# Altium PCB intPCB1.PcbDoc (part 1 of 3) (continued)
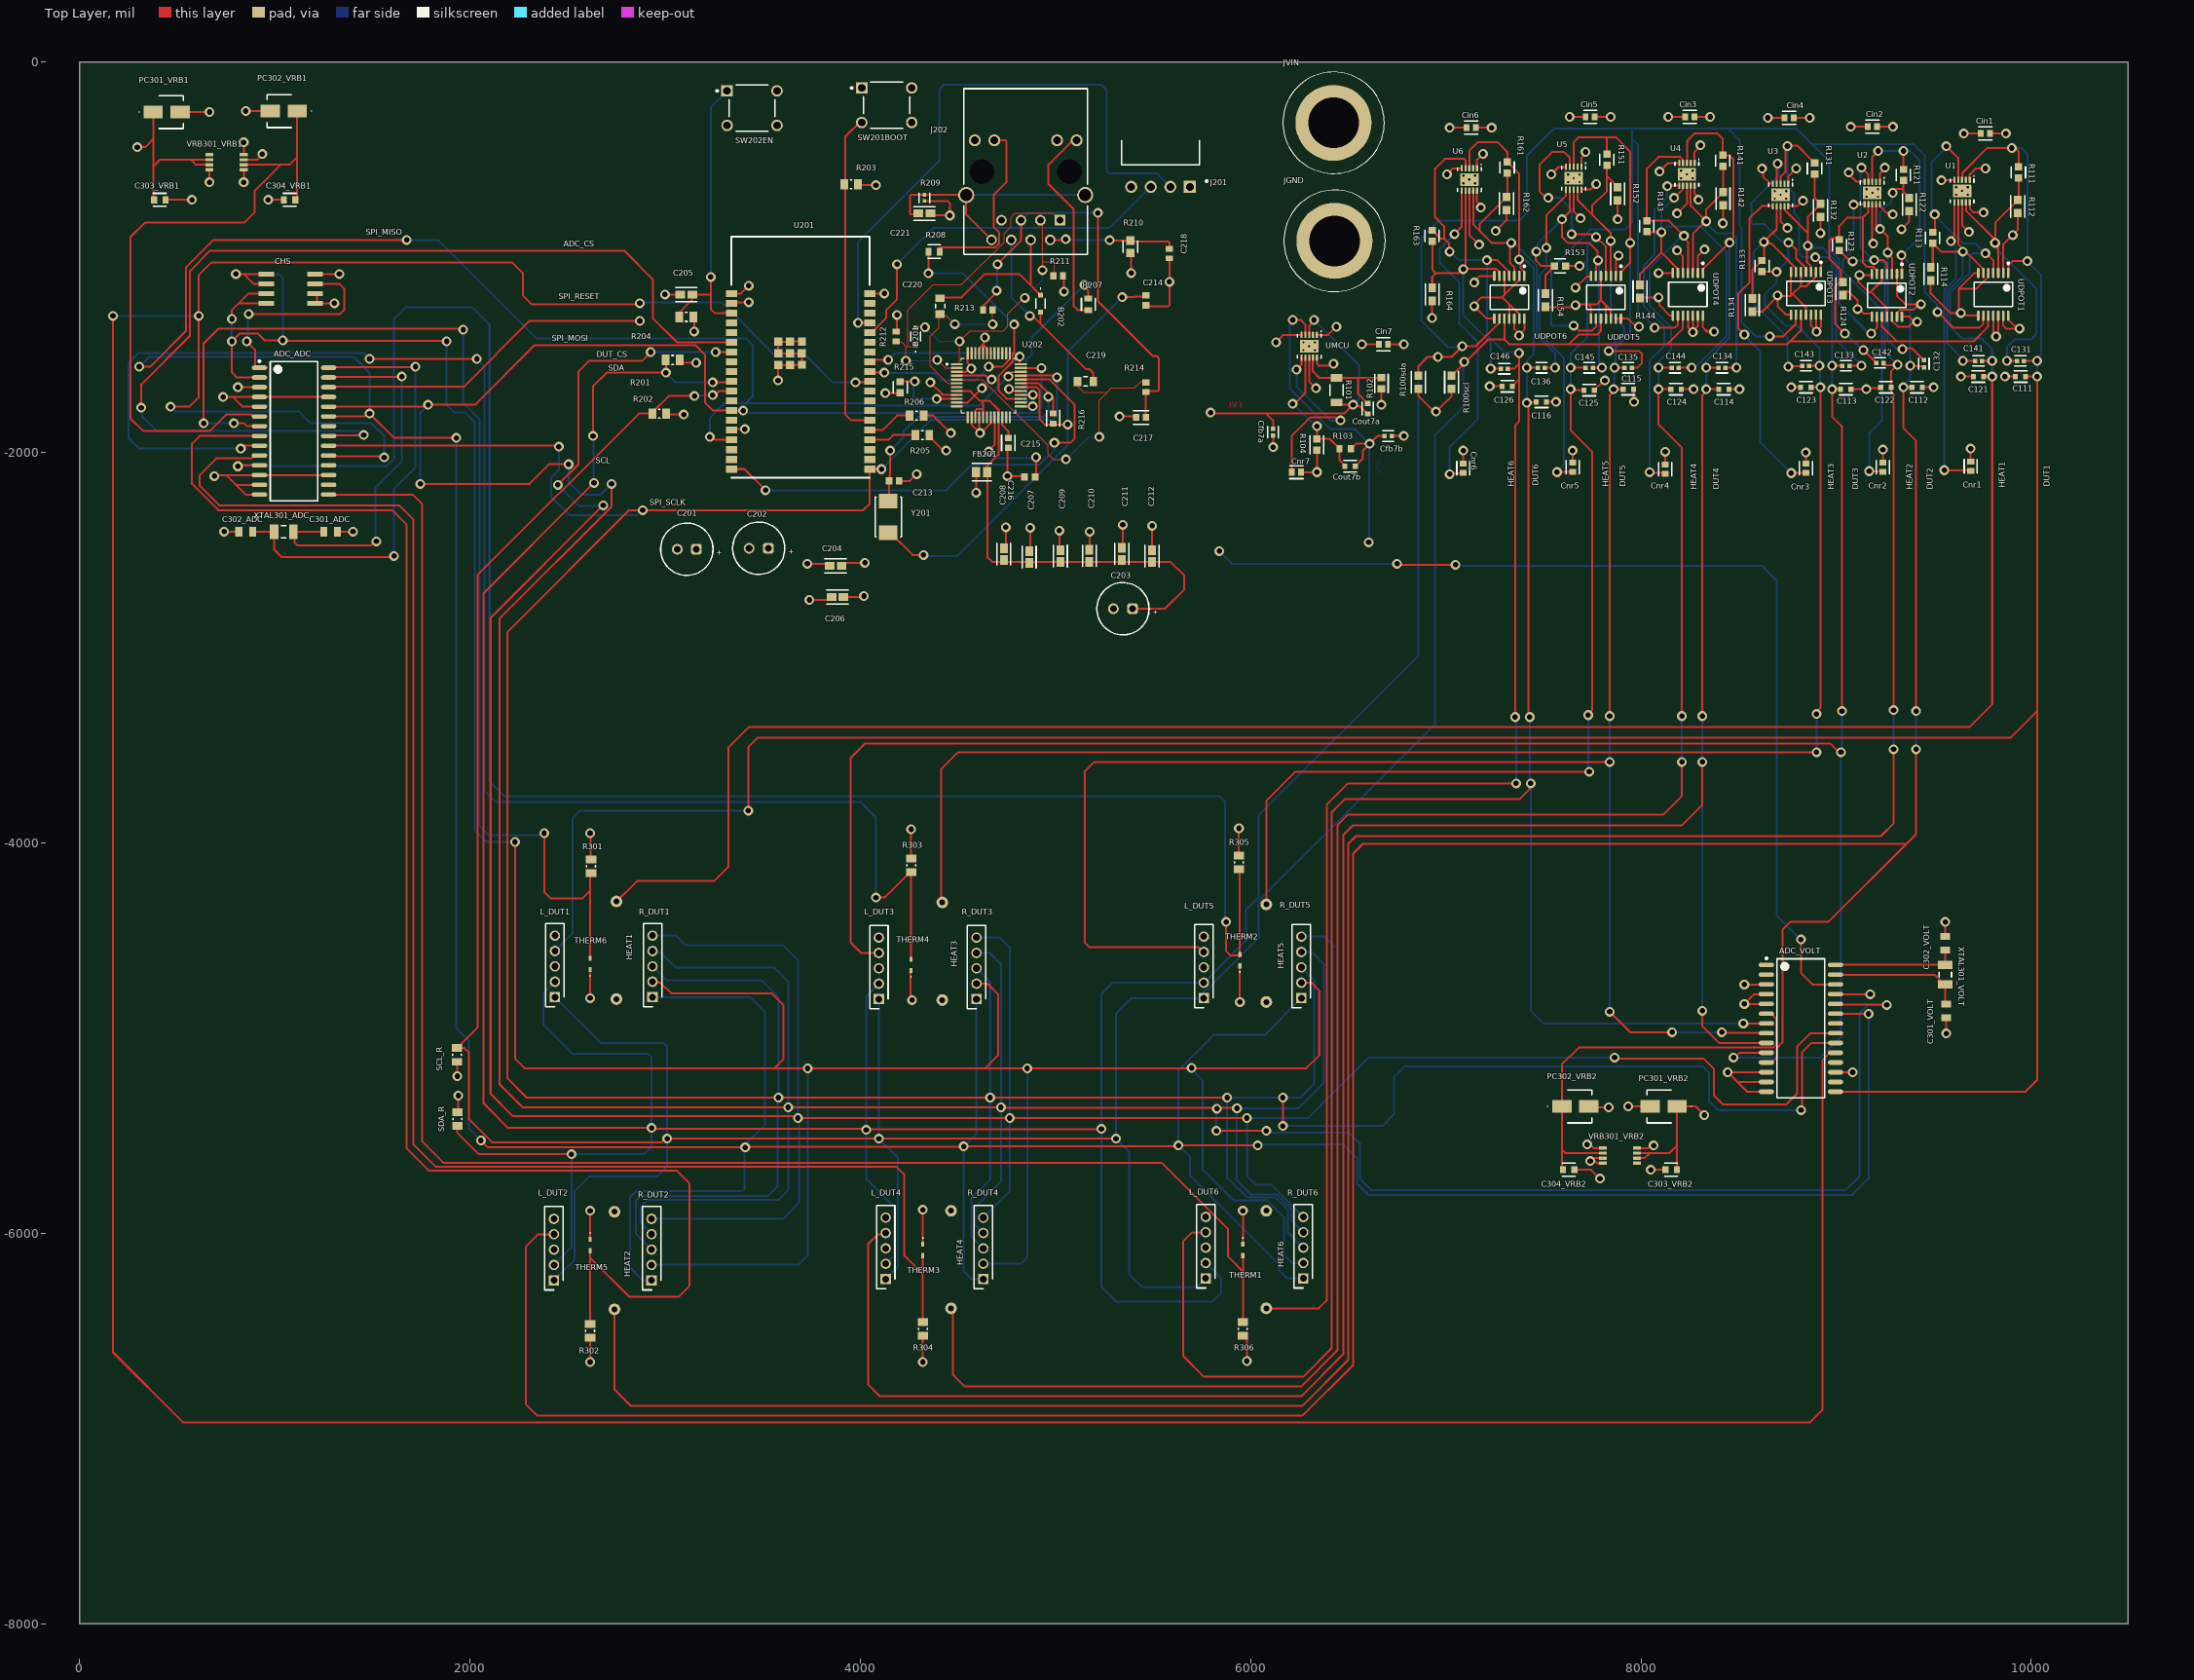
[diagram p0: Top Layer view]
## Classes and differential pairs
channel class VRB: VRB1 VRB2
channel class ADC: ADC VOLT
component class VRB2: C303_VRB2 C304_VRB2 PC301_VRB2 PC302_VRB2 VRB301_VRB2
component class VOLT: ADC_VOLT C301_VOLT C302_VOLT XTAL301_VOLT
component class AG2: Cfb7a Cfb7b Cin7 Cnr7 Cout7a Cout7b JGND JVIN R101 R102 R103 R104 UMCU
component class Designator: C201 C204 C205 J201 R201 R202 R203 R204 R205 R206 SW201BOOT SW202EN U201
component class AG1: C111 C112 C113 C114 C115 C116 C121 C122 C123 C124 C125 C126 C131 C132 C133 C134 C135 C136 C141 C142 C143 C144 C145 C146 Cin1 Cin2 Cin3 Cin4 Cin5 Cin6 Cnr1 Cnr2 Cnr3 Cnr4 Cnr5 Cnr6 R100scl R100sda R111 R112 R113 R114 R121 R122 R123 R124 R131 R132 R133 R134 R141 R142 R143 R144 R151 R152 R153 R154 R161 R162 R163 R164 U1 U2 U3 U4 U5 U6 UDPOT1 UDPOT2 UDPOT3 UDPOT4 UDPOT5 UDPOT6
component class U_EthernetSheet: B201 B202 C213 C214 C215 C216 C217 C218 C219 C220 C221 J202 R207 R208 R209 R210 R211 R212 R213 R214 R215 R216 U202 Y201
channel class Headers: DUT1 DUT2 DUT3 DUT4 DUT5 DUT6
component class VRB1: C303_VRB1 C304_VRB1 PC301_VRB1 PC302_VRB1 VRB1 VRB301_VRB1
component class Thermistors: R301 R302 R303 R304 R305 R306 THERM1 THERM2 THERM3 THERM4 THERM5 THERM6
component class SL: SCL_R SDA_R
component class "Heat Element": HEAT1 HEAT2 HEAT3 HEAT4 HEAT5 HEAT6
component class DUT6: L_DUT6 R_DUT6
component class DUT5: L_DUT5 R_DUT5
component class DUT4: L_DUT4 R_DUT4
component class DUT3: L_DUT3 R_DUT3
component class DUT2: L_DUT2 R_DUT2
component class DUT1: L_DUT1 R_DUT1
component class "Current Sense": CHS
component class ADC: ADC_ADC C301_ADC C302_ADC XTAL301_ADC
differential pair ETH.TX: +ETH.TX_P -ETH.TX_N
differential pair ETH.RX: +ETH.RX_P -ETH.RX_N

## Components (designator, comment, footprint, x,y, rotation, side; value= is the part's Value field where it differs from the comment)
ADC_ADC "AD7718BRZ" RW-28_L 1097.83,-1890 r0 top (schematic designator ADC)
ADC_VOLT "AD7718BRZ" RW-28_L 8820,-4950 r0 top (schematic designator ADC)
B201 "PESD5V0U1BA_115" PESD5V0U1BA115 4283.34,-1405 r90 top
B202 "PESD5V0U1BA_115" PESD5V0U1BA115 4923.34,-1236.69 r270 top
C111 "GRM188R71A225KE15D" FP-GRM188-0_1-e0_2_0_5-MFG 9945,-1610 r180 top
C112 "GRM188R71A225KE15D" FP-GRM188-0_1-e0_2_0_5-MFG 9415,-1665 r0 top
C113 "GRM188R71A225KE15D" FP-GRM188-0_1-e0_2_0_5-MFG 9050,-1675 r0 top
C114 "GRM188R71A225KE15D" FP-GRM188-0_1-e0_2_0_5-MFG 8425,-1675 r0 top
C115 "GRM188R71A225KE15D" FP-GRM188-0_1-e0_2_0_5-MFG 7935,-1675 r0 top
C116 "GRM188R71A225KE15D" FP-GRM188-0_1-e0_2_0_5-MFG 7490,-1740 r0 top
C121 "GRM188R71A225KE15D" FP-GRM188-0_1-e0_2_0_5-MFG 9730,-1610 r180 top
C122 "GRM188R71A225KE15D" FP-GRM188-0_1-e0_2_0_5-MFG 9255,-1665 r180 top
C123 "GRM188R71A225KE15D" FP-GRM188-0_1-e0_2_0_5-MFG 8845,-1665 r180 top
C124 "GRM188R71A225KE15D" FP-GRM188-0_1-e0_2_0_5-MFG 8180,-1675 r0 top
C125 "GRM188R71A225KE15D" FP-GRM188-0_1-e0_2_0_5-MFG 7735,-1680 r0 top
C126 "GRM188R71A225KE15D" FP-GRM188-0_1-e0_2_0_5-MFG 7315,-1660 r180 top
C131 "CC0402JRNPO9BN150" FP-CC0402-0_55-IPC_B 9945,-1530 r180 top
C132 "CC0402JRNPO9BN150" FP-CC0402-0_55-IPC_B 9450,-1545 r90 top
C133 "CC0402JRNPO9BN150" FP-CC0402-0_55-IPC_B 9050,-1555 r0 top
C134 "CC0402JRNPO9BN150" FP-CC0402-0_55-IPC_B 8415,-1565 r0 top
C135 "CC0402JRNPO9BN150" FP-CC0402-0_55-IPC_B 7935,-1565 r0 top
C136 "CC0402JRNPO9BN150" FP-CC0402-0_55-IPC_B 7490,-1565 r0 top
C141 "CC0402JRNPO9BN150" FP-CC0402-0_55-IPC_B 9730,-1530 r180 top
C142 "CC0402JRNPO9BN150" FP-CC0402-0_55-IPC_B 9225,-1540 r180 top
C143 "CC0402JRNPO9BN150" FP-CC0402-0_55-IPC_B 8845,-1555 r180 top
C144 "CC0402JRNPO9BN150" FP-CC0402-0_55-IPC_B 8175,-1565 r0 top
C145 "CC0402JRNPO9BN150" FP-CC0402-0_55-IPC_B 7735,-1565 r0 top
C146 "CC0402JRNPO9BN150" FP-CC0402-0_55-IPC_B 7300,-1570 r180 top
C201 "10 uF" WCAP-HTG5_D6.3H8 53110.79,47505 r0 top
C202 "10 uF" WCAP-HTG5_D6.3H8 53479.13,47510 r0 top
C203 "10 uF" WCAP-HTG5_D6.3H8 55345.79,47200 r0 top
C204 "0.1 uF" FP-CC0603-DA-IPC_A 3873.34,-2580 r0 top
C205 "0.1 uF" FP-CC0603-DA-IPC_A 3108.34,-1190 r0 top
C206 "0.1 uF" FP-CC0603-DA-IPC_A 3882.75,-2740 r0 top
C207 "0.1 uF" FP-CC0603-DA-IPC_A 4865,-2535 r90 top
C208 "0.1 uF" FP-CC0603-DA-IPC_A 4735,-2520 r90 top
C209 "0.1 uF" FP-CC0603-DA-IPC_A 5025,-2530.59 r90 top
C210 "0.1 uF" FP-CC0603-DA-IPC_A 5173.82,-2529.41 r90 top
C211 "0.1 uF" FP-CC0603-DA-IPC_A 5340,-2519.41 r90 top
C212 "0.1 uF" FP-CC0603-DA-IPC_A 5495,-2530 r90 top
C213 "18 pF" CAPC1608X90X35LL15T15 4172.75,-2145 r0 top
C214 "18 pF" CAPC1608X90X35LL15T15 5463.34,-1220 r90 top
C215 "10 nF" FP-0603-L_1_6_0_15-W_0_81-IPC_C 4758.34,-1950 r90 top
C216 "4.7 uF" CAPC1608X87X35NL15T15 4868.34,-2125 r0 top
C217 "10 nF" FP-0603-L_1_6_0_15-W_0_81-IPC_C 5438.34,-1820 r0 top
C218 "0.022 uF" CAPC1608X92X38LL15T08 5583.34,-980 r90 top
C219 "6.8 nF" FP-CGA3E-0_3-0_1-IPC_A 5153.34,-1635 r0 top
C220 "6.8 nF" FP-CGA3E-0_3-0_1-IPC_A 4408.34,-1250 r90 top
C221 "0.1 uF" FP-CC0603-DA-IPC_A 4327.75,-775 r0 top
C301_ADC "CC0603GRNPO9BN120" CC0603GRNPO9BN120 1250,-2405 r0 top (schematic designator C301)
C301_VOLT "CC0603GRNPO9BN120" CC0603GRNPO9BN120 9565,-4825 r270 top (schematic designator C301)
C302_ADC "CC0603GRNPO9BN120" CC0603GRNPO9BN120 815,-2405 r0 top (schematic designator C302)
C302_VOLT "CC0603GRNPO9BN120" CC0603GRNPO9BN120 9560,-4480 r270 top (schematic designator C302)
C303_VRB1 "0.1uF 50V" FP-CC0603-DA-MFG 410,-705 r0 top value="100 nF" (schematic designator C303)
C303_VRB2 "0.1uF 50V" FP-CC0603-DA-MFG 8155,-5675 r180 top value="100 nF" (schematic designator C303)
C304_VRB1 "0.1uF 50V" FP-CC0603-DA-MFG 1075,-705 r0 top value="100 nF" (schematic designator C304)
C304_VRB2 "0.1uF 50V" FP-CC0603-DA-MFG 7630,-5675 r180 top value="100 nF" (schematic designator C304)
Cfb7a "CC0402JRNPO9BN150" FP-CC0402-0_55-IPC_B 6115,-1895 r270 top
Cfb7b "CC0402JRNPO9BN150" FP-CC0402-0_55-IPC_B 6705,-1915 r0 top
CHS "TMCS1108A2UQDR" TMCS1108 955,-1085 r0 top
Cin1 "C0603C104M4RACTU" FP-C0603C-CF-MFG 9765,-365 r0 top value="0.10 μF"
Cin2 "C0603C104M4RACTU" FP-C0603C-CF-MFG 9186.38,-330 r0 top value="0.10 μF"
Cin3 "C0603C104M4RACTU" FP-C0603C-CF-MFG 8250,-280 r0 top value="0.10 μF"
Cin4 "C0603C104M4RACTU" FP-C0603C-CF-MFG 8760,-285 r0 top value="0.10 μF"
Cin5 "C0603C104M4RACTU" FP-C0603C-CF-MFG 7740,-280 r0 top value="0.10 μF"
Cin6 "C0603C104M4RACTU" FP-C0603C-CF-MFG 7130,-335 r0 top value="0.10 μF"
Cin7 "C0603C104M4RACTU" FP-C0603C-CF-MFG 6680,-1445 r0 top value="0.10 μF"
Cnr1 "C0603C103M5RACTU" FP-C0603C-CF-MFG 9690,-2070 r90 top value="10,000 pF"
Cnr2 "C0603C103M5RACTU" FP-C0603C-CF-MFG 9240,-2075 r90 top value="10,000 pF"
Cnr3 "C0603C103M5RACTU" FP-C0603C-CF-MFG 8845,-2080 r90 top value="10,000 pF"
Cnr4 "C0603C103M5RACTU" FP-C0603C-CF-MFG 8125,-2085 r90 top value="10,000 pF"
Cnr5 "C0603C103M5RACTU" FP-C0603C-CF-MFG 7650,-2075 r90 top value="10,000 pF"
Cnr6 "C0603C103M5RACTU" FP-C0603C-CF-MFG 7090,-2080 r90 top value="10,000 pF"
Cnr7 "C0603C103M5RACTU" FP-C0603C-CF-MFG 6235,-2100 r0 top value="10,000 pF"
Cout7a "GRM188R71A225KE15D" FP-GRM188-0_1-e0_2_0_5-MFG 6600,-1775 r90 top
Cout7b "GRM188R71A225KE15D" FP-GRM188-0_1-e0_2_0_5-MFG 6510,-2070 r180 top
FB201 "BLM21PG121SN1D" FP-BLM21-0_2-t0_85-e0_5-d-IPC_C 4621.91,-2100 r0 top
HEAT1 "RSF2JT1R80" PCBComponent_1#1 2750,-4300 r270 top
HEAT2 "RSF2JT1R80" PCBComponent_1#1 2740,-6390 r90 top
HEAT3 "RSF2JT1R80" PCBComponent_1#1 4420,-4305 r270 top
HEAT4 "RSF2JT1R80" PCBComponent_1#1 4465,-6385 r90 top
HEAT5 "RSF2JT1R80" PCBComponent_1#1 6080,-4315 r270 top
HEAT6 "RSF2JT1R80" PCBComponent_1#1 6080,-6385 r90 top
J201 "22-05-3041" FP-22-05-3041-MFG 5538.34,-360 r180 top
J202 "SI-60062-F" BELF-SI-60062-F_V 4847.52,-559.84 r180 top
JGND "1581-5" FP-1581-5-MFG 6430,-915 r0 top
JVIN "1581-5" FP-1581-5-MFG 6425,-310 r0 top
L_DUT1 "M22-7130542" RHDR5W50P0X200_1X5_1050X240X440P 2435,-4790 r90 top (schematic designator L)
L_DUT2 "M22-7130542" RHDR5W50P0X200_1X5_1050X240X440P 2430,-6241.22 r90 top (schematic designator L)
L_DUT3 "M22-7130542" RHDR5W50P0X200_1X5_1050X240X440P 4095,-4800 r90 top (schematic designator L)
L_DUT4 "M22-7130542" RHDR5W50P0X200_1X5_1050X240X440P 4130,-6235 r90 top (schematic designator L)
L_DUT5 "M22-7130542" RHDR5W50P0X200_1X5_1050X240X440P 5760,-4795 r90 top (schematic designator L)
L_DUT6 "M22-7130542" RHDR5W50P0X200_1X5_1050X240X440P 5770,-6231.22 r90 top (schematic designator L)
PC301_VRB1 "EEE-FN0J470R" EEE1AA220WR 445,-255 r0 top (schematic designator PC301)
PC301_VRB2 "EEE-FN0J470R" EEE1AA220WR 8116.1,-5350 r180 top (schematic designator PC301)
PC302_VRB1 "EEE-FN0J470R" EEE1AA220WR 1045,-250 r180 top (schematic designator PC302)
PC302_VRB2 "EEE-FN0J470R" EEE1AA220WR 7663.9,-5350 r0 top (schematic designator PC302)
R100scl "RC1608J102CS" FP-RC1608-IPC_A 7030,-1640 r270 top
R100sda "RC1608J102CS" FP-RC1608-IPC_A 6860,-1640 r270 top
R101 "RT1206FRE0749K9L" FP-RT1206-MFG 6440,-1680 r90 top value=49.9KΩ
R102 "CRCW060330K1FKEAHP" FP-CRCW0603-HPe3-IPC_B 6670,-1645 r270 top
R103 "RC0603FR-0788K7L" RESC1608X55X25ML10T15 6485,-1980 r0 top
R104 "CRCW060330K1FKEAHP" FP-CRCW0603-HPe3-IPC_B 6340,-1960 r270 top
R111 "CRCW060324K9FKEA" FP-CRCW0603-e3-IPC_B 9935.59,-564.27 r270 top
R112 "RC1608J753CS" FP-RC1608-IPC_A 9930.59,-739.27 r270 top
R113 "CRCW060324K9FKEA" FP-CRCW0603-e3-IPC_B 9495.59,-899.27 r270 top
R114 "RC1608J753CS" FP-RC1608-IPC_A 9485.59,-1084.27 r270 top
R121 "CRCW060324K9FKEA" FP-CRCW0603-e3-IPC_B 9345.59,-577.43 r270 top
R122 "RC1608J753CS" FP-RC1608-IPC_A 9375.59,-729.27 r270 top
R123 "CRCW060324K9FKEA" FP-CRCW0603-e3-IPC_B 9017.4,-936.83 r90 top
R124 "RC1608J753CS" FP-RC1608-IPC_A 9035,-1160 r270 top
R131 "CRCW060324K9FKEA" FP-CRCW0603-e3-IPC_B 8890.59,-544.27 r270 top
R132 "RC1608J753CS" FP-RC1608-IPC_A 8920.59,-759.27 r270 top
R133 "CRCW060324K9FKEA" FP-CRCW0603-e3-IPC_B 8620.59,-1044.27 r90 top
R134 "RC1608J753CS" FP-RC1608-IPC_A 8570.59,-1244.27 r270 top
R141 "CRCW060324K9FKEA" FP-CRCW0603-e3-IPC_B 8420.59,-504.27 r270 top
R142 "RC1608J753CS" FP-RC1608-IPC_A 8420.59,-699.27 r270 top
R143 "CRCW060324K9FKEA" FP-CRCW0603-e3-IPC_B 8030,-840 r270 top
R144 "RC1608J753CS" FP-RC1608-IPC_A 7995.59,-1174.27 r270 top
R151 "CRCW060324K9FKEA" FP-CRCW0603-e3-IPC_B 7825.59,-499.27 r270 top
R152 "RC1608J753CS" FP-RC1608-IPC_A 7880.59,-674.27 r270 top
R153 "CRCW060324K9FKEA" FP-CRCW0603-e3-IPC_B 7585.59,-1044.27 r180 top
R154 "RC1608J753CS" FP-RC1608-IPC_A 7510.59,-1219.27 r270 top
R161 "CRCW060324K9FKEA" FP-CRCW0603-e3-IPC_B 7315.59,-539.27 r270 top
R162 "RC1608J753CS" FP-RC1608-IPC_A 7310.59,-724.27 r270 top
R163 "CRCW060324K9FKEA" FP-CRCW0603-e3-IPC_B 6930.59,-889.27 r270 top
R164 "RC1608J753CS" FP-RC1608-IPC_A 6930.59,-1189.27 r270 top
R201 "10 k" RESC2013X60X35NL10T20 3038.34,-1525 r0 top
R202 "10 k" RESC2013X60X35NL10T20 2970,-1800 r0 top
R203 "10 k" RESC2013X60X35NL10T20 3952.91,-625 r0 top
R204 "10 k" RESC2013X60X35NL10T20 3107.91,-1305 r0 top
R205 "10 k" RESC2013X60X35NL10T20 4317.91,-1910 r180 top
R206 "10 k" RESC2013X60X35NL10T20 4288.34,-1810 r180 top
R207 "150" FP-CRCW0603-e3-MFG 5168.34,-1240 r90 top
R208 "150" FP-CRCW0603-e3-MFG 4377.87,-970 r0 top
R209 "0" FP-CRCW0402-e3-IPC_C 4328.34,-695 r90 top
R210 "10" FP-CRCW0603-e3-IPC_A 5383.34,-945 r90 top
R211 "49.9" RESC1609X50X30NL10T20 5013.34,-1095 r0 top
R212 "49.9" RESC1609X50X30NL10T20 4183.34,-1405 r90 top
R213 "49.9" RESC1609X50X30NL10T20 4653.34,-1270 r0 top
R214 "49.9" RESC1609X50X30NL10T20 5463.34,-1665 r90 top
R215 "12.4 k" FP-CRCW0603-e3-IPC_B 4203.34,-1665 r90 top
R216 "1 M" FP-ERJ3EK-IPC_C 4988.34,-1825 r90 top
R301 "RC0805FR-0710KL" RESC2013X60X35NL10T20 2620,-4120 r90 top
R302 "RC0805FR-0710KL" RESC2013X60X35NL10T20 2615,-6500 r270 top
R303 "RC0805FR-0710KL" RESC2013X60X35NL10T20 4260,-4115 r90 top
R304 "RC0805FR-0710KL" RESC2013X60X35NL10T20 4320,-6490 r270 top
R305 "RC0805FR-0710KL" RESC2013X60X35NL10T20 5940,-4100 r90 top
R306 "RC0805FR-0710KL" RESC2013X60X35NL10T20 5960,-6490 r270 top
R_DUT1 "M22-7130542" RHDR5W50P0X200_1X5_1050X240X440P 2935,-4790 r90 top (schematic designator R)
R_DUT2 "M22-7130542" RHDR5W50P0X200_1X5_1050X240X440P 2930,-6241.22 r90 top (schematic designator R)
R_DUT3 "M22-7130542" RHDR5W50P0X200_1X5_1050X240X440P 4595,-4800 r90 top (schematic designator R)
R_DUT4 "M22-7130542" RHDR5W50P0X200_1X5_1050X240X440P 4630,-6235 r90 top (schematic designator R)
R_DUT5 "M22-7130542" RHDR5W50P0X200_1X5_1050X240X440P 6260,-4795 r90 top (schematic designator R)
R_DUT6 "M22-7130542" RHDR5W50P0X200_1X5_1050X240X440P 6270,-6231.22 r90 top (schematic designator R)
SCL_R "RC0805FR-0710KL" RESC2013X60X35NL10T20 1933.44,-5086.12 r270 top
SDA_R "RC0805FR-0710KL" RESC2013X60X35NL10T20 1935,-5415 r90 top
SW201BOOT "1825910-6" TECO-1825910-6_V 4135,-220 r0 top
SW202EN "1825910-6" TECO-1825910-6_V 3445,-235 r0 top
THERM1 "TMP6331DYAR" TMP6331DYAR 5960,-6085 r270 top
THERM2 "TMP6331DYAR" TMP6331DYAR 5945,-4600.87 r90 top
THERM3 "TMP6331DYAR" TMP6331DYAR 4320,-6085 r270 top
THERM4 "TMP6331DYAR" TMP6331DYAR 4260,-4625 r90 top
THERM5 "TMP6331DYAR" TMP6331DYAR 2615,-6060 r270 top
THERM6 "TMP6331DYAR" TMP6331DYAR 2615,-4620 r90 top
U1 "TPS71202DRCT" DRC0010L_V 9645.59,-659.27 r270 top
U2 "TPS71202DRCT" DRC0010L_V 9185.59,-669.27 r270 top
U3 "TPS71202DRCT" DRC0010L_V 8715.59,-679.27 r270 top
U4 "TPS71202DRCT" DRC0010L_V 8235.59,-574.27 r270 top
U5 "TPS71202DRCT" DRC0010L_V 7655.59,-594.27 r270 top
U6 "TPS71202DRCT" DRC0010L_V 7120.59,-600.84 r270 top
U201 "ESP 32 WROVER" PCBComponent_1#2 3339.68,-1185 r0 top
U202 "W5500" QFP50P900X900X160-48N 4658.34,-1655 r0 top
UDPOT1 "TPL0102-100PWR" FP-PW0014A-IPC_C 9805.59,-1189.27 r270 top
UDPOT2 "TPL0102-100PWR" FP-PW0014A-IPC_C 9260.59,-1194.27 r270 top
UDPOT3 "TPL0102-100PWR" FP-PW0014A-IPC_C 8845.59,-1184.27 r270 top
UDPOT4 "TPL0102-100PWR" FP-PW0014A-IPC_C 8240.59,-1189.27 r270 top
UDPOT5 "TPL0102-100PWR" FP-PW0014A-IPC_C 7820.59,-1204.27 r270 top
UDPOT6 "TPL0102-100PWR" FP-PW0014A-IPC_C 7325.59,-1204.27 r270 top
UMCU "TPS71202DRCT" DRC0010L_V 6300,-1455 r270 top
VRB301_VRB1 "LTC6652AHMS8-2.5#PBF" LTC6652AHMS8-2.5#PBF 665,-474.4 r0 top (schematic designator VRB301)
VRB301_VRB2 "LTC6652AHMS8-2.5#PBF" LTC6652AHMS8-2.5#PBF 7980,-5640 r180 top (schematic designator VRB301)
XTAL301_ADC "ABS07-32.768KHZ-T" FP-ABS07-MFG 1045,-2405 r0 top (schematic designator XTAL301)
XTAL301_VOLT "ABS07-32.768KHZ-T" FP-ABS07-MFG 9560,-4675 r270 top (schematic designator XTAL301)
Y201 "25 MHz" FP-ABM3-MFG 4143.34,-2330 r90 top

## Footprints (in the part's own frame and the unit in brackets; to place one, negate y for a bottom-side part, rotate by r counter-clockwise, add the part's x,y. Pads: shape width x height; smd on the part's side, far side on the other; paste and mask are expansions set on the pad)
BELF-SI-60062-F_V [mm] "MagJack, 14-Leads, Body 21.59x16.13mm"
  rect 1.4x1.4 hole 0.89: 1(-4.445,6.35)
  round 1.4 hole 0.89: 2(-3.175,8.89) 3(-1.905,6.35) 4(3.175,6.35) 5(-0.635,8.89) 6(0.635,6.35) 7(1.905,8.89) 8(4.445,8.89)
  round 1.55 hole 1.02: 9(-6.625,-4.06) 10(-4.085,-4.06) 11(4.085,-4.06) 12(6.625,-4.06)
  round 2.95 hole 3.25 unplated: MH1(-5.715,0) MH2(5.715,0)
  round 2.1 hole 1.57: S1(-7.745,3.05) S2(7.745,3.05)
  silkscreen extent -8.07,-10.79 8.07,10.8, body extent -8.06,-10.79 8.06,10.8, height 13.84
CAPC1608X87X35NL15T15 [mm] "Chip Capacitor, 2-Leads, Body 1.60x0.80mm, IPC Medium Density"
  rect 0.9x1 smd: 1(-0.675,0) 2(0.675,0)
  body extent -0.87,-0.48 0.87,0.47, height 0.87
CAPC1608X90X35LL15T15 [mm] "Chip Capacitor, 2-Leads, Body 1.60x0.81mm, IPC High Density"
  rect 0.85x0.9 smd: 1(-0.65,0) 2(0.65,0)
  body extent -0.88,-0.48 0.87,0.48, height 0.9
CAPC1608X92X38LL15T08 [mm] "Chip Capacitor, 2-Leads, Body 1.60x0.80mm, IPC High Density"
  rect 0.75x0.9 smd: 1(-0.625,0) 2(0.625,0)
  body extent -0.87,-0.48 0.87,0.48, height 0.92
CC0603GRNPO9BN120 [mil]
  rect 35x50 smd: 1(0,0) 2(70,0)
  body extent 4,-15 66,20, height 31
DRC0010L_V [mm] "SON, 10-Leads, Body 3x3mm, Pitch 0.5mm, Thermal Pad 2.4x1.65mm"
  rrect36% 0.825x0.28 smd paste-0.5: 1(-1.462,1) 2(-1.462,0.5) 3(-1.462,0) 4(-1.462,-0.5) 5(-1.462,-1) 6(1.463,-1) 7(1.463,-0.5) 8(1.463,0) 9(1.463,0.5) 10(1.463,1)
  rrect6% 1.65x2.4 smd paste-1: 11(0,0)
  silkscreen extent -2,-1.55 1.55,1.6, body extent -1.5,-1.5 1.5,1.5, height 1
EEE1AA220WR [mm]
  rect 2.5x1.6 smd: 1(-1.75,0) 2(1.75,0)
  silkscreen extent -3.63,-2.15 2.15,2.15, body extent -2.5,-2.15 2.5,2.15, height 5.78
FP-22-05-3041-MFG [mm]
  rect 1.57x1.57 hole 1.02 paste-2539.97 mask+0: 1(-3.81,7.072)
  round 1.57 hole 1.02 paste-2539.97 mask+0: 2(-1.27,7.072) 3(1.27,7.072) 4(3.81,7.072)
  silkscreen extent -6.13,1.03 5.08,6.44, body extent -5.18,-6.28 5.18,7.96, height 0.25
FP-0603-L_1_6_0_15-W_0_81-IPC_C [mil]
  rect 31.75x34.18 smd paste+0 mask+0: 1(-24.64,0) 2(24.64,0)
  silkscreen extent -41,-35 41,35, body extent -44,-23 44,23, height 10
FP-1581-5-MFG [mm]
  round 9.9 hole 6.6 paste-2539.97 mask+0: 1(0,0)
  silkscreen extent -6.6,-6.6 6.6,6.6, body extent -6.7,-6.7 6.7,6.7, height 0.25
FP-ABM3-MFG [mm]
  rect 1.9x2.4 smd paste+0 mask+0: 1(-2.05,0) 2(2.05,0)
  silkscreen extent -2.6,-1.7 2.6,1.7, body extent -3.1,-1.8 3.1,1.8, height 0.25
FP-ABS07-MFG [mm]
  rect 1.1x1.9 smd paste+0 mask+0: 1(-1.25,0) 2(1.25,0)
  silkscreen extent -0.33,-0.8 0.33,0.8, body extent -1.9,-1.05 1.9,1.05, height 0.25
FP-BLM21-0_2-t0_85-e0_5-d-IPC_C [mil]
  rect 41.53x53.39 smd paste+0 mask+0: 1(-28.57,0) 2(28.57,0)
  silkscreen extent -49,-44 49,44, body extent -53,-32 53,32, height 10
FP-C0603C-CF-MFG [mm]
  rect 0.75x0.9 smd paste+0 mask+0: 1(-0.6,0) 2(0.6,0)
  silkscreen extent -0.87,-0.85 0.88,0.85, body extent -1.2,-0.6 1.2,0.6, height 0.25
FP-CC0402-0_55-IPC_B [mil]
  rect 22.37x22.54 smd paste+0 mask+0: 1(-17.8,0) 2(17.8,0)
  silkscreen extent -29,-27 29,27, body extent -35,-17 35,17, height 10
FP-CC0603-DA-IPC_A [mil]
  rect 49.53x39.85 smd paste+0 mask+0: 1(-30.59,0) 2(30.59,0)
  silkscreen extent -55,-36 55,36, body extent -75,-40 75,40, height 10
FP-CC0603-DA-MFG [mm]
  rect 0.8x0.9 smd paste+0 mask+0: 1(-0.75,0) 2(0.75,0)
  silkscreen extent -0.85,-0.85 0.85,0.85, body extent -1.35,-0.75 1.35,0.75, height 0.25
FP-CGA3E-0_3-0_1-IPC_A [mm]
  rect 0.956x1.206 smd paste+0 mask+0: 1(-1.025,0) 2(1.025,0)
  silkscreen extent -0.25,-0.6 0.25,0.6, body extent -2,-1.1 2,1.1, height 0.25
FP-CRCW0402-e3-IPC_C [mil]
  rect 18.43x18.6 smd paste+0 mask+0: 1(-15.83,0) 2(15.83,0)
  silkscreen extent -25,-27 25,27, body extent -29,-15 29,15, height 10
FP-CRCW0603-e3-IPC_A [mil]
  rect 44.69x41.82 smd paste+0 mask+0: 1(-32.1,0) 2(32.1,0)
  silkscreen extent -30,-37 30,37, body extent -74,-41 74,41, height 10
FP-CRCW0603-e3-IPC_B [mil]
  rect 36.81x37.88 smd paste+0 mask+0: 1(-28.17,0) 2(28.17,0)
  silkscreen extent -30,-37 30,35, body extent -56,-29 56,29, height 10
FP-CRCW0603-e3-MFG [mm]
  rect 0.75x1 smd paste+0 mask+0: 1(-0.75,0) 2(0.75,0)
  silkscreen extent -0.8,-0.9 0.8,0.9, body extent -1.22,-0.6 1.22,0.6, height 0.25
FP-CRCW0603-HPe3-IPC_B [mil]
  rect 37.72x37.88 smd paste+0 mask+0: 1(-28.62,0) 2(28.62,0)
  silkscreen extent -47,-35 47,35, body extent -57,-29 57,29, height 10
FP-ERJ3EK-IPC_C [mil]
  rect 29.78x33.94 smd paste+0 mask+0: 1(-25.62,0) 2(25.62,0)
  silkscreen extent -41,-34 41,34, body extent -44,-23 44,23, height 10
FP-GRM188-0_1-e0_2_0_5-MFG [mm]
  rect 0.65x0.7 smd paste+0 mask+0: 1(-0.675,0) 2(0.675,0)
  silkscreen extent -0.85,-0.75 0.85,0.75, body extent -1.1,-0.55 1.1,0.55, height 0.25
FP-PW0014A-IPC_C [mm]
  rect 1.355x0.341 smd paste+0 mask+0: 1(-2.775,1.95)
  rrect100% 1.355x0.341 smd paste+0 mask+0: 2(-2.775,1.3) 3(-2.775,0.65) 4(-2.775,0) 5(-2.775,-0.65) 6(-2.775,-1.3) 7(-2.775,-1.95) 8(2.775,-1.95) 9(2.775,-1.3) 10(2.775,-0.65) 11(2.775,0) 12(2.775,0.65) 13(2.775,1.3) 14(2.775,1.95)
  silkscreen extent -4.17,-2.5 1.6,2.5, body extent -3.55,-2.6 3.55,2.6, height 0.25
FP-RC1608-IPC_A [mil]
  rect 43.69x39.85 smd paste+0 mask+0: 1(-33.51,0) 2(33.51,0)
  silkscreen extent -55,-36 55,36, body extent -75,-40 75,40, height 10
FP-RT1206-MFG [mm]
  rect 1x1.5 smd paste+0 mask+0: 1(-1.6,0) 2(1.6,0)
  silkscreen extent -0.72,-0.85 0.72,0.85, body extent -2.2,-0.95 2.2,0.95, height 0.25
LTC6652AHMS8-2.5#PBF [mil]
  rect 40x17 smd: 1(0,0.6) 2(0,-25) 3(0,-50.6) 4(0,-76.2) 5(175,-76.2) 6(175,-50.6) 7(175,-25) 8(175,0.6)
  body extent -13,-99 189,23, height 43
PCBComponent_1#1 [mil]
  round 60 hole 30: 1(0,0) 2(500,0)
PCBComponent_1#2 [mil]
  rect 59.06x35.43 smd: 1(0,0) 2(0,-50) 3(0,-100) 4(0,-150) 5(0,-200) 6(0,-250) 7(0,-300) 8(0,-350) 9(0,-400) 10(0,-450) 11(0,-500) 12(0,-550) 13(0,-600) 14(0,-650) 15(0,-700) 16(0,-750) 17(0,-800) 18(0,-850) 19(0,-900) 20(708.66,-900) 21(708.66,-850) 22(708.66,-800) 23(708.66,-750) 24(708.66,-700) 25(708.66,-650) 26(708.66,-600) 27(708.66,-550) 28(708.66,-500) 29(708.66,-450) 30(708.66,-400) 31(708.66,-350) 32(708.66,-300) 33(708.66,-250) 34(708.66,-200) 35(708.66,-150) 36(708.66,-100) 37(708.66,-50) 38(708.66,0)
  rect 41.34x41.34 smd: 39(239.96,-366.73) 39(239.96,-306.69) 39(239.96,-246.65) 39(300,-366.73) 39(300,-306.69) 39(300,-246.65) 39(360.04,-306.69) 39(361.29,-364.89) 39(361.29,-245.65)
  silkscreen extent 0,-943 709,292
PESD5V0U1BA115 [mm]
  rect 0.6x0.6 smd: 1(-1.1,0) 2(1.1,0)
  silkscreen extent -2,-0.62 0.6,0.62
QFP50P900X900X160-48N [mm]
  rect 1.56x0.28 smd: 1(-4.18,2.75) 2(-4.18,2.25) 3(-4.18,1.75) 4(-4.18,1.25) 5(-4.18,0.75) 6(-4.18,0.25) 7(-4.18,-0.25) 8(-4.18,-0.75) 9(-4.18,-1.25) 10(-4.18,-1.75) 11(-4.18,-2.25) 12(-4.18,-2.75) 25(4.18,-2.75) 26(4.18,-2.25) 27(4.18,-1.75) 28(4.18,-1.25) 29(4.18,-0.75) 30(4.18,-0.25) 31(4.18,0.25) 32(4.18,0.75) 33(4.18,1.25) 34(4.18,1.75) 35(4.18,2.25) 36(4.18,2.75)
  rect 0.28x1.56 smd: 13(-2.75,-4.18) 14(-2.25,-4.18) 15(-1.75,-4.18) 16(-1.25,-4.18) 17(-0.75,-4.18) 18(-0.25,-4.18) 19(0.25,-4.18) 20(0.75,-4.18) 21(1.25,-4.18) 22(1.75,-4.18) 23(2.25,-4.18) 24(2.75,-4.18) 37(2.75,4.18) 38(2.25,4.18) 39(1.75,4.18) 40(1.25,4.18) 41(0.75,4.18) 42(0.25,4.18) 43(-0.25,4.18) 44(-0.75,4.18) 45(-1.25,4.18) 46(-1.75,4.18) 47(-2.25,4.18) 48(-2.75,4.18)